# Allegro board 9823-layout.brd (continued)
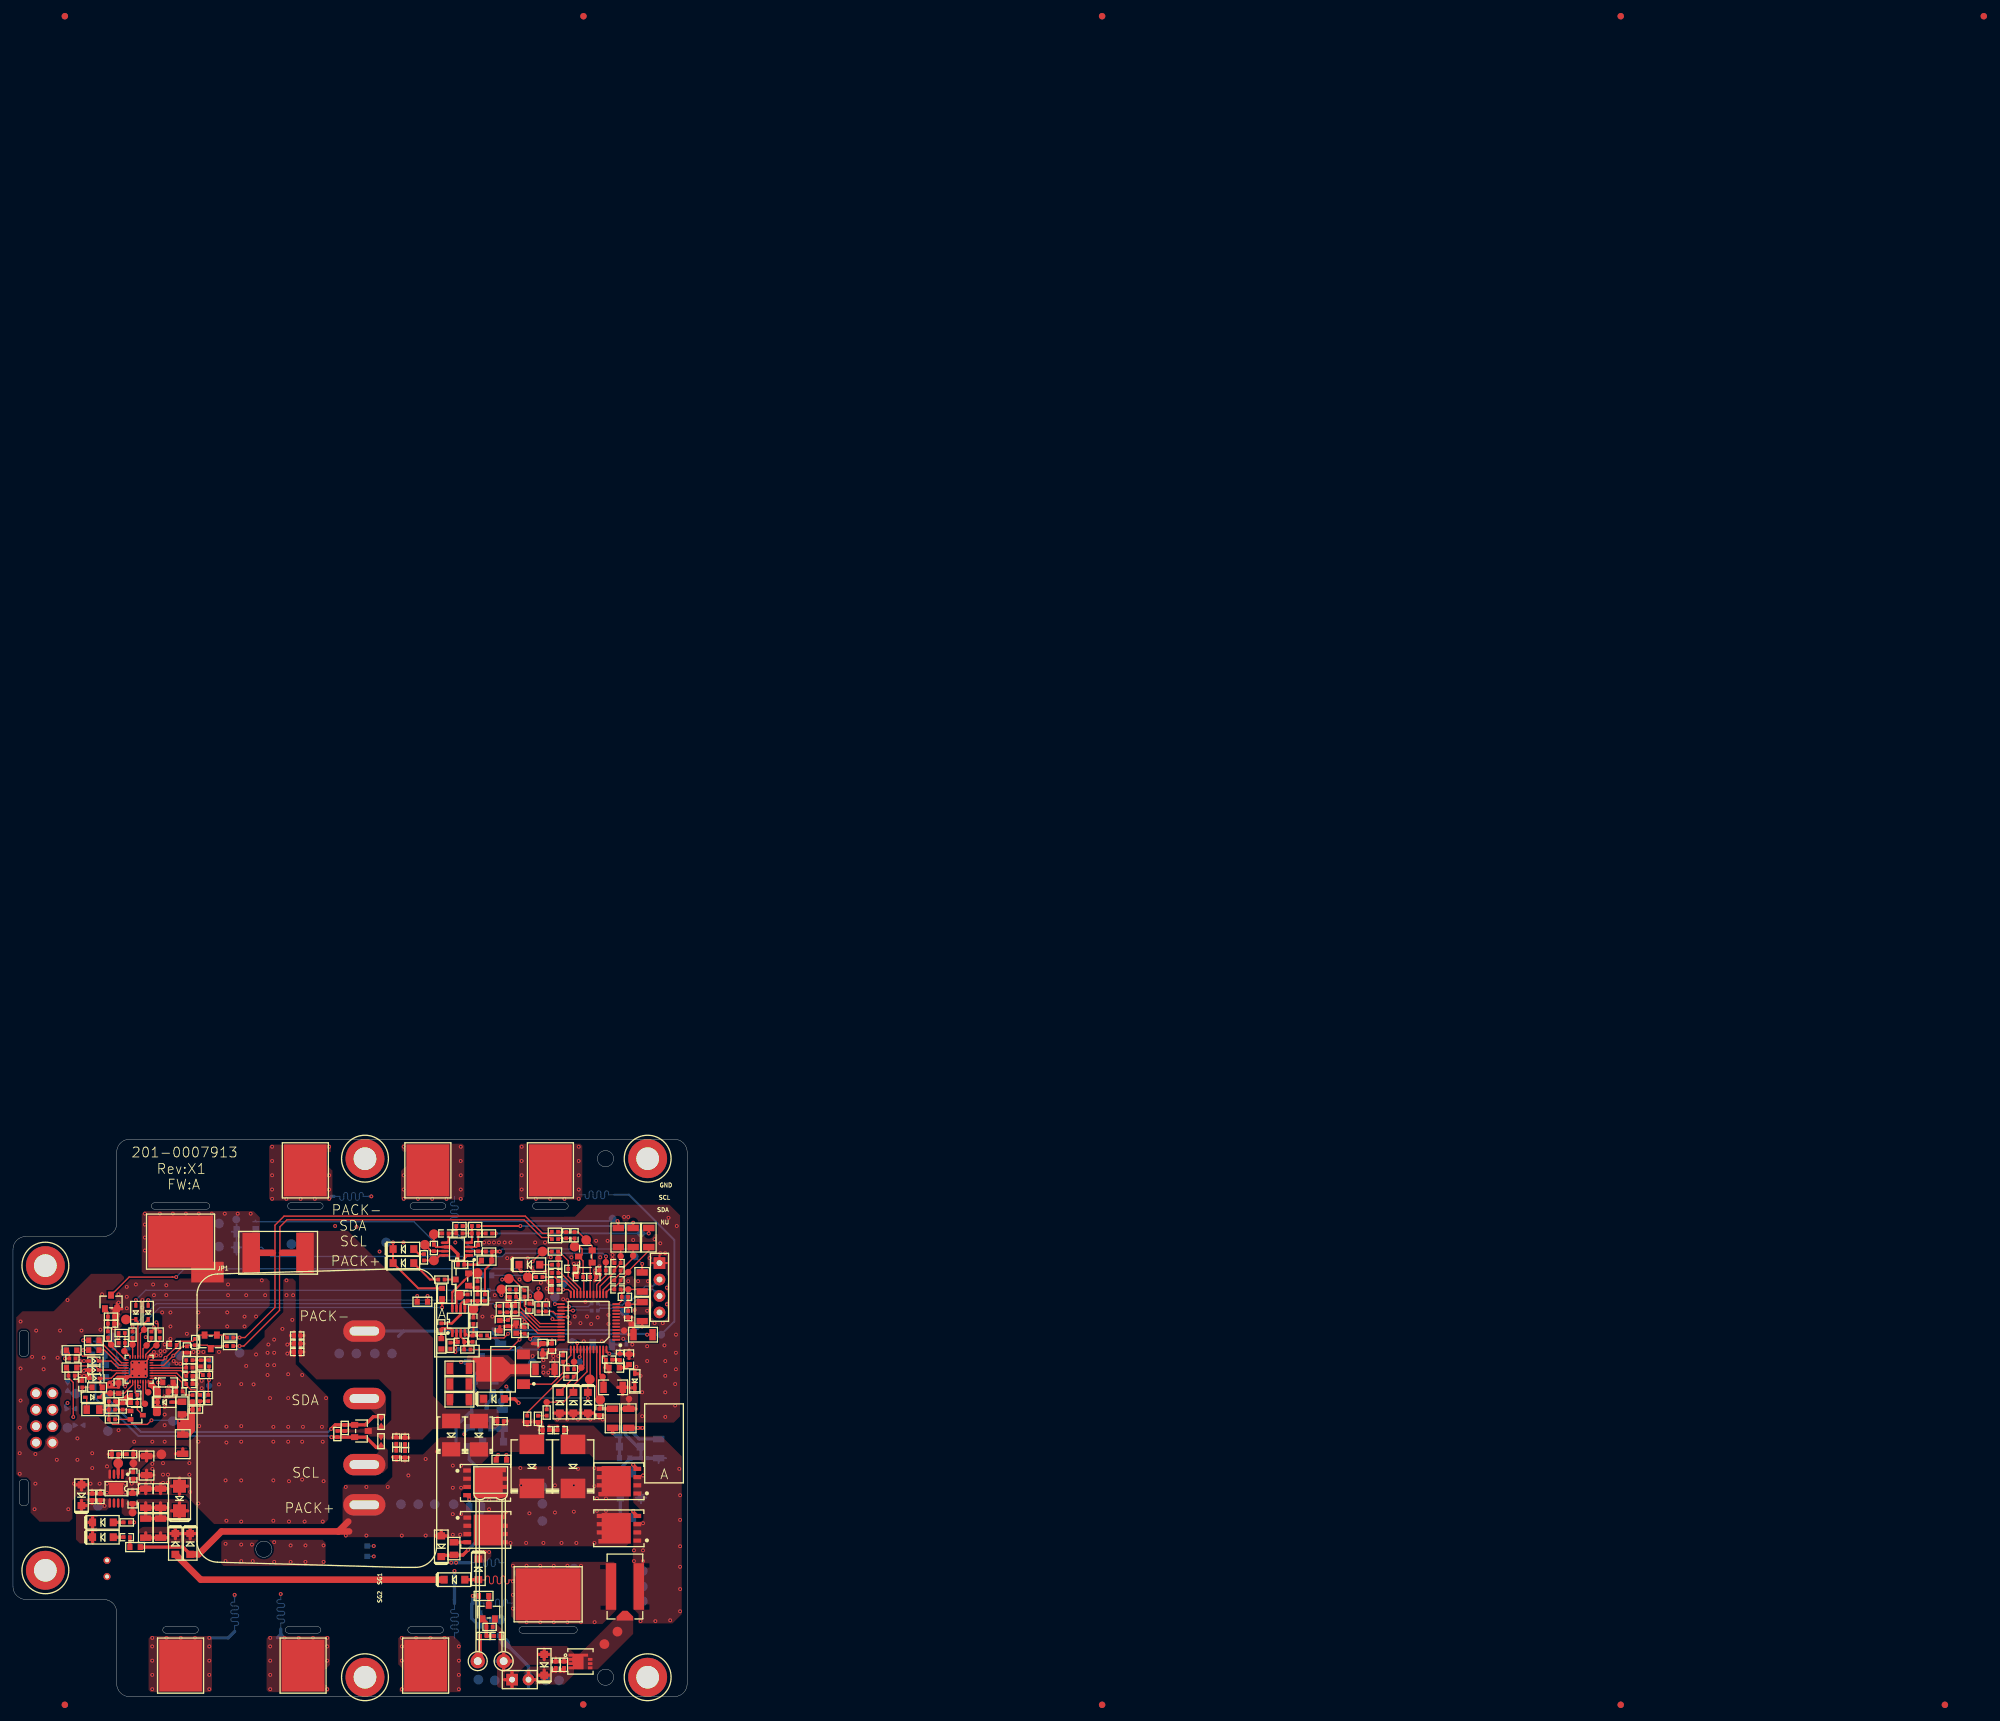
[diagram p0: board, top side]
## Placement (name value [footprint] x y rotation side) (continued)
TP8  Test Point  [O-TP150]  78.01 19.02 90 bottom
TP9  Test Point  [O-TP150]  82.83 81.63 90 bottom
TP10  Test Point  [O-TP150]  64.61 5.05 0 bottom
TP11  Test Point  [O-TP120]  96.17 57.12 0 bottom
TP12  Test Point  [O-TP150]  64.04 81.5 180 bottom
TP13  Test Point  [O-TP120]  95.92 67.91 0 bottom
TP14  Test Ponit  [O-TP150]  81.06 61.82 180 top
TP15  Test Point  [O-TP150]  43.91 5.43 0 bottom
TP16  Test Point  [O-TP120]  96.89 71.47 270 bottom
TP17  Test Point  [O-TP150]  44.73 81.76 90 bottom
TP18  Test Point  [O-TP120]  94.77 72.61 270 bottom
TP19  Test Point  [O-TP150]  25.81 4.67 0 bottom
TP20  Test Point  [O-TP150]  28.35 69.31 0 bottom
TP21  Test Ponit  [O-TP150]  83.6 61.69 0 bottom
TP22  Test Point  [O-TP150]  75.21 11.91 0 bottom
TP23  Test Point  [O-TP100]  17.18 53.31 0 top
TP24  Test Point  [O-TP120]  92.49 73.75 270 bottom
TP25  Test Ponit  [O-TP150]  79.41 64.74 180 top
TP26  Test Ponit  [O-TP150]  81.69 68.67 180 top
TP27  Test Point  [O-TP100]  18.45 54.32 0 top
TP29  Test Point  [O-TP120]  34.45 73.63 0 bottom
TP30  Test Point  [O-TP100]  84.12 67.62 180 top
TP31  Test Point  [O-TP150]  86.55 17.55 270 bottom
TP32  Test Point  [O-TP150]  86.55 13 270 bottom
TP33  Test Point  [O-TP150]  86.55 19.75 0 bottom
TP34  Test Point  [O-TP150]  86.55 15.3 0 bottom
TP35  Test Point  [O-TP150]  97.16 19.4 270 bottom
TP36  Test Point  [O-TP150]  97.16 17 270 bottom
TP37  Test Point  [O-TP150]  97.16 14.73 270 bottom
TP38  Test Point  [O-TP150]  81.66 32.4 270 bottom
TP39  Test Point  [O-TP150]  81.66 29.75 270 bottom
TP40  Test Point  [O-TP150]  81.66 27.1 270 bottom
TP41  Test Point  [O-TP150]  59.85 29.69 0 bottom
TP42  Test Point  [O-TP150]  62.51 29.69 0 bottom
TP43  Test Point  [O-TP150]  67.98 29.69 0 bottom
TP44  Test Point  [O-TP150]  65.05 29.69 0 bottom
TP45  Test Point  [O-TP150]  71.66 65.37 90 top
TP46  Test Point  [O-TP150]  68.86 61.94 90 top
TP47  Test Point  [O-TP150]  93.24 10.03 90 top
TP48  Test Point  [O-TP150]  71.02 59.78 90 top
TP49  Test Point  [O-TP150]  91.23 8.11 0 top
TP50  Test Point  [O-TP150]  84.23 2.51 90 bottom
TP51  Test Point  [O-TP150]  75.85 8.35 90 bottom
TP52  Test Point  [O-TP150]  82.2 2.51 90 bottom
TP53  Test Point  [O-TP150]  64.93 67.3 180 top
TP54  Test Point  [O-TP150]  74.33 2.51 90 bottom
TP55  Test Point  [O-TP150]  71.79 2.63 90 bottom
TP56  Test Point  [O-TP150]  63.53 69.71 180 top
TP57  Test Point  [O-TP150]  64.93 71.34 180 top
TP58  Test Point  [O-TP100]  17.3 48.61 90 bottom
TP59  Test Point  [O-TP100]  15.02 46.79 90 top
TP60  Test Point  [O-TP100]  20.86 46.96 90 top
TP61  Test Point  [O-TP100]  20.35 45.18 90 top
TP62  Test Point  [O-TP100]  19.46 46.96 90 bottom
TP63  Test Point  [O-TP120]  18.57 36.01 270 top
TP64  Test Point  [O-TP150]  22.89 37.38 270 top
TP65  Test Point  [O-TP150]  24.67 42.51 90 bottom
TP66  Test Point  [O-TP100]  29.49 46.47 90 bottom
TP67  Test Point  [O-TP150]  8.03 53.18 90 bottom
TP68  Test Point  [O-TP100]  30.26 47.97 90 bottom
TP69  Test Point  [O-TP150]  9.71 46.75 90 bottom
TP70  Test Point  [O-TP100]  30.38 51.91 90 bottom
TP71  Test Point  [O-TP150]  8.41 41.5 90 bottom
TP72  Test Point  [O-TP150]  23.53 51.28 90 bottom
TP73  Test Point  [O-TP150]  14.65 44.08 90 bottom
TP74  Test Point  [O-TP150]  14.14 46.4 90 bottom
TP75  Test Point  [O-TP150]  25.81 52.61 90 bottom
TP76  Test Point  [O-TP100]  15.14 54.32 90 top
TP79  Test Point  [O-TP100]  22.13 54.2 90 top
TP80  Test Point  [O-TP100]  20.6 54.2 90 top
TP81  Test Point  [O-TP100]  20.22 56.61 90 top
TP82  Test Point  [O-TP150]  17.43 58.19 90 top
TP83  Test Point  [O-TP150]  14.64 40.99 180 bottom
TP84  Test Point  [O-TP150]  15.27 55.44 180 bottom
TP85  Test Point  [O-TP150]  33.94 55.41 180 bottom
TP86  Test Point  [O-TP150]  34.96 53.05 180 bottom
TP87  Test Point  [O-TP150]  28.35 72.87 180 bottom
TP88  Test Point  [O-TP150]  31.78 72.99 180 bottom
TP89  Test Point  [O-TP150]  31.78 69.44 180 bottom
TP90  Test Point  [O-TP150]  25.18 70.96 90 bottom
TP91  Test Point  [O-TP150]  52.97 52.94 180 bottom
TP92  Test Point  [O-TP150]  50.32 52.94 180 bottom
TP93  Test Point  [O-TP150]  58.47 52.94 180 bottom
TP94  Test Point  [O-TP150]  55.82 52.94 180 bottom
TP95  Test Point  [O-TP150]  13.11 29.43 180 bottom
TP96  Test Point  [O-TP150]  84.87 63.85 180 bottom
TP97  Test Point  [O-TP150]  94.37 59.37 180 bottom
TP98  Test Point  [O-TP150]  94.79 61.33 180 bottom
TP99  Test Point  [O-TP150]  80.17 51.4 180 bottom
U1  BQ769142PFBR  [R-S-PQFP-48-50-900X900X120]  88.79 57.81 180 top
U2  S-8244AAOFM-CEOT2U  [R-MSOP-8-65-400X295X130]  68.74 58.01 90 top
U3  S-8244AAOFM-CEOT2U  [R-MSOP-8-65-400X295X130]  68.48 69.06 180 top
U4  TPS7A1601DGNR  [R-SSOP-8-65-490X300X110-PAD]  15.91 32.1 270 top
U5  BQ9000RSMR  [R-QFN-32-40-400X400X100]  19.46 50.51 180 top

## Library data of the parts
C1-C21 C25 C29 C31 C34 C38 C40 C41 C43 C46-C49 C51 C54-C61 C64-C69 C71-C87 C89-C96 C100 C101 C106 C107 C109-C111 = Capacitor
CELL+1-CELL+7 CELL-1 = PACK therminal 1pin
D1-D4 D6 D17 D28 D31 D32 D34-D42 D44 D45 D50 D51 = Diode
D5 D7 D18-D20 D27 D30 D33 = Diode Zener
D8-D10 D13 D14 = Diode TVS
D11 D15 = Diode TVS SOT-323
D16 D47 = Diode-Dual-Common AK
F1 = Fuse
F4 = Fuse-SC1
FCT2-FCT10 = Fusing Copper Trace
J2 = J_3
J3 = J_8
J4 = J_5
J5 = CON-2PIN_0: room: Input
JP1 = Jumper-Single Grounding
NTC1-NTC5 = NTC
Q1 = Transistor-NPN
Q2 Q10 Q11 Q16 Q18 = N-MOS-Single-8Pin
Q3 Q4 Q13-Q15 = Transistor-PNP
Q5 Q12 Q19 = N-MOSFET
R1-R12 R14-R34 R37-R47 R50 R51 R53 R56-R65 R67-R82 R84-R87 R89-R95 R97 R99 R101-R108 R110-R113 R115 R116 R118-R123 R127 R128 R130-R134 = Resistor
RS1 = Resistor-Current Sense
SG1-SG5 = Spark Gap
TA1-TA12 TA14 TA16-TA18 TA20 TA22-TA24 TA26-TA36 TP1-TP27 TP29-TP76 TP79-TP99 = Test Point
U1 = IC-BQ769142PFBR
U2 U3 = IC-S-8244AAUFN-CEUT2z_1
U4 = IC-TPS7A1601DGNR
U5 = IC-bq9000RSM_1

## Footprints (pads in the part's own frame, mm; a bottom-side part is the same pattern mirrored in y, then rotated)
O-F-2-560X160-2OZ-15
  oval 1x0.15 smd: 1(-2.73,0) 2(2.72,0)
O-PAD-JUMP
  rect 1.6x5 smd: 1(-0.79,0) 2(0.79,0)
O-PAD-R800X660-NP
  rect 6.6x8 smd: 1(0,0)
O-PAD-R1000X800-NP
  rect 8x10 smd: 1(0,0)
O-PSK-2-230X100
  round 0.2 smd: 1(-0.5,0) 2(0.5,0)
O-TP100
  round 1 smd: 1(0,0)
O-TP120
  round 1.2 smd: 1(0,0)
O-TP150
  round 1.5 smd: 1(0,0)
R-C-0402
  rect 0.58x0.6 smd: 1(-0.485,0) 2(0.485,0)
R-C-0603
  rect 0.8x0.9 smd: 1(-0.8,0) 2(0.8,0)
R-C-1206
  rect 1x1.75 smd: 1(-1.475,0) 2(1.475,0)
R-F-3-950X500X200
  rect 7.2x1.6 smd: 1(0,2.15) 3(0,-2.15)
  custom 1.5x2.55 smd: 2(-4.5,0)
R-MSOP-8-65-400X295X130
  rect 1.25x0.4 smd: 1(-1.875,0.975)
  oval 1.25x0.4 smd: 2(-1.875,0.325) 3(-1.875,-0.325) 4(-1.875,-0.975) 5(1.875,-0.975) 6(1.875,-0.325) 7(1.875,0.325) 8(1.875,0.975)
R-QFN-32-40-400X400X100
  oval 0.6x0.2 smd: 1(-1.9,1.4) 2(-1.9,1) 3(-1.9,0.6) 4(-1.9,0.2) 5(-1.9,-0.2) 6(-1.9,-0.6) 7(-1.9,-1) 8(-1.9,-1.4) 17(1.9,-1.4) 18(1.9,-1) 19(1.9,-0.6) 20(1.9,-0.2) 21(1.9,0.2) 22(1.9,0.6) 23(1.9,1) 24(1.9,1.4)
  oval 0.2x0.6 smd: 9(-1.4,-1.9) 10(-1,-1.9) 11(-0.6,-1.9) 12(-0.2,-1.9) 13(0.2,-1.9) 14(0.6,-1.9) 15(1,-1.9) 16(1.4,-1.9) 25(1.4,1.9) 26(1,1.9) 27(0.6,1.9) 28(0.2,1.9) 29(-0.2,1.9) 30(-0.6,1.9) 31(-1,1.9) 32(-1.4,1.9)
  rect 1.4x1.4 smd: 33(0,0)
R-R-0402
  rect 0.58x0.6 smd: 1(-0.485,0) 2(0.485,0)
R-R-0603
  rect 0.8x0.9 smd: 1(-0.8,0) 2(0.8,0)
R-R-0805
  rect 1x1.35 smd: 1(-0.975,0) 2(0.975,0)
R-R-1206
  rect 1x1.75 smd: 1(-1.475,0) 2(1.475,0)
R-R-3921-92
  rect 2.7x6.2 smd: 1(-4.15,0) 2(4.15,0)
R-S-PQFP-48-50-900X900X120
  rect 1.2x0.3 smd: 1(-4.25,2.75)
  oval 1.2x0.3 smd: 2(-4.25,2.25) 3(-4.25,1.75) 4(-4.25,1.25) 5(-4.25,0.75) 6(-4.25,0.25) 7(-4.25,-0.25) 8(-4.25,-0.75) 9(-4.25,-1.25) 10(-4.25,-1.75) 11(-4.25,-2.25) 12(-4.25,-2.75) 25(4.25,-2.75) 26(4.25,-2.25) 27(4.25,-1.75) 28(4.25,-1.25) 29(4.25,-0.75) 30(4.25,-0.25) 31(4.25,0.25) 32(4.25,0.75) 33(4.25,1.25) 34(4.25,1.75) 35(4.25,2.25) 36(4.25,2.75)
  oval 0.3x1.2 smd: 13(-2.75,-4.25) 14(-2.25,-4.25) 15(-1.75,-4.25) 16(-1.25,-4.25) 17(-0.75,-4.25) 18(-0.25,-4.25) 19(0.25,-4.25) 20(0.75,-4.25) 21(1.25,-4.25) 22(1.75,-4.25) 23(2.25,-4.25) 24(2.75,-4.25) 37(2.75,4.25) 38(2.25,4.25) 39(1.75,4.25) 40(1.25,4.25) 41(0.75,4.25) 42(0.25,4.25) 43(-0.25,4.25) 44(-0.75,4.25) 45(-1.25,4.25) 46(-1.75,4.25) 47(-2.25,4.25) 48(-2.75,4.25)
R-SMA
  rect 2x2 smd: A(-1.9,0) K(1.9,0)
R-SMB
  rect 2.2x2.8 smd: A(-2.2,0) K(2.2,0)
R-SMC
  rect 3x3.8 smd: A(-3.4,0) K(3.4,0)
R-SO-8-127-615X515X100-1
  custom 4.7x5 smd: D1(0,0.675)
  rect 0.65x1.2 smd: D2(-0.635,2.825) D3(0.635,2.825) D4(1.905,2.825) G(1.905,-2.825) S1(-1.905,-2.825) S2(-0.635,-2.825) S3(0.635,-2.825)
R-SOD-123
  rect 1.1x1.2 smd: A(-1.6,0) K(1.6,0)
R-SOD-323
  rect 0.73x0.5 smd: A(-1.085,0) K(1.085,0)
R-SOD-523
  rect 0.73x0.5 smd: A(-0.815,0) K(0.815,0)
R-SOT-23-AK2K1
  rect 0.9x1.1 smd: A(-0.95,-1.05) K1(0,1.05) K2(0.95,-1.05)
R-SOT-23-BEC
  rect 0.9x1.1 smd: B(-0.95,-1.05) C(0,1.05) E(0.95,-1.05)
R-SOT-23-GSD
  rect 0.9x1.1 smd: D(0,1.05) G(-0.95,-1.05) S(0.95,-1.05)
R-SOT-23-K1K2K3
  rect 0.9x1.1 smd: K1(-0.95,-1.05) K2(0.95,-1.05) K3(0,1.05)
R-SOT-223-BCE
  rect 1.5x2 smd: B(-2.3,-3.15) C(0,-3.15) E(2.3,-3.15)
R-SOT-323-BEC
  rect 0.7x0.9 smd: B(-0.65,-0.95) C(0,0.95) E(0.65,-0.95)
R-SSOP-8-65-490X300X110-PAD
  rect 1.45x0.4 smd: 1(-2.225,0.975)
  oval 1.45x0.4 smd: 2(-2.225,0.325) 3(-2.225,-0.325) 4(-2.225,-0.975) 5(2.225,-0.975) 6(2.225,-0.325) 7(2.225,0.325) 8(2.225,0.975)
  rect 1.9x2.2 smd: 9(0,0)
R-TSDSON-8
  rect 0.45x0.7 smd: D1(0.975,1.5) D2(0.325,1.5) D3(-0.325,1.5)
  custom 2.4x2.35 smd: D4(0,0)
  rect 0.45x0.8 smd: G(0.975,-1.45)
  rect 0.45x0.85 smd: S1(-0.975,-1.425) S3(0.325,-1.425)
  custom 0.85x0.85 smd: S2(-0.325,-1.4)
SIP2-2R54
  rect 1.8x1.8 hole 0.9: 1(0,0)
  round 1.8 hole 0.9: 2(2.54,0)
SIP4-2R54
  rect 1.8x1.8 hole 0.9: 1(0,0)
  round 1.8 hole 0.9: 2(2.54,0) 3(5.08,0) 4(7.62,0)
unnamed
  round 6 hole 3.5: 1(0,0)
unnamed#2
  round 1 smd: (0,0)
W-CON-4-4560X3646X2380
  oval 6.5x3.3 hole 4.5x1.3: 1(7.326,13.404) 2(7.326,3.004) 3(7.326,-7.196) 4(7.326,-13.396)
W-CON-8-254-998X500X254
  round 1.8 hole 1.2: 1(-3.81,-1.27) 2(-3.81,1.27) 3(-1.27,-1.27) 4(-1.27,1.27) 5(1.27,-1.27) 6(1.27,1.27) 7(3.81,-1.27) 8(3.81,1.27)
W-F-2-400-3000X520X200-B
  round 2.2 hole 1.2: 1(-2,-15) 2(2,-15)
W-NTC-2-250-260X260X2500
  round 1.1 hole 0.6: 1(-1.25,0) 2(1.25,0)

## Nets
15V: R14.2 R16.2 R17.2 R91.1 R99.2 R102.2 R103.1 R106.2 TP65.1(TP)
GND: C4.2 C5.2 C6.2 C7.2 C8.1 C9.2 C10.2 C11.2 C12.2 C13.2 C14.2 C16.2 C17.2 C18.2 C19.2 C20.2 C21.1 C25.2 C29.2 C41.2 C43.2 C49.2 C51.2 C54.2 C55.2 C56.2 C57.2 C73.2 C76.2 C79.2 C81.2 C82.1 C83.2 C84.1 C85.2 C86.2 C87.2 C89.2 C90.2 C91.2 C93.1 C94.2 C95.2 C96.2 C100.2 C101.2 C106.2 C109.2 C110.2 C111.1 D3.A D4.A D5.A D6.A D7.A D10.A D11.K3 D13.A D14.A D33.A D41.A F1.2 J2.1(GND) J3.7(GND) J5.1 JP1.1 NTC1.2 NTC2.1 NTC3.1 NTC4.1 NTC5.1 Q5.S Q18.S1 Q18.S2 Q18.S3 Q19.S R9.1 R11.1 R17.1 R18.1 R20.1 R34.2 R44.2 R58.2 R97.2 R112.1 R115.1 R119.1 R134.1 SG3.2 SG4.2 SG5.2 TA24.1(TP) TP54.1(TP) TP55.1(TP) TP83.1(TP) U1.17(VSS) U4.4(GND) U4.9(PAD) U5.9(VSS) U5.23(PTC) U5.24(PTCEN) U5.33(PAD)
AFE_RST: R19.2 R128.2
AFEFUSE: C73.1 D33.K D37.K J5.2 Q18.G R22.1 R30.2 R44.1 R95.2 TP50.1(TP) TP51.1(TP) TP52.1(TP)
BUTTON_DET: C20.1 R10.2 TP23.1(TP) U5.16(RH1)
CD+: D1.A D18.K D19.K Q2.D1 Q2.D2 Q2.D3 Q2.D4 Q10.D1 Q10.D2 Q10.D3 Q10.D4 Q11.D1 Q11.D2 Q11.D3 Q11.D4 Q16.D1 Q16.D2 Q16.D3 Q16.D4 TP38.1(TP) TP39.1(TP) TP40.1(TP)
CELL1+: FCT8.2 R51.1 R93.2 TP24.1(TP)
CELL2+: FCT7.2 R46.1 R92.1 TP18.1(TP)
CELL3+: FCT6.2 R41.1 R90.1 TP16.1(TP)
CELL4+: FCT5.2 R32.1 R79.2 R84.2 R87.1 TP13.1(TP)
CELL5+: FCT4.2 R26.1 R78.1 TP11.1(TP)
CELL6+: FCT3.2 R21.1 R75.1 TP5.1(TP)
CELL7+: FCT2.2 R15.1 R69.2 R72.1 TP2.1(TP)
CELL+7_PAD: CELL+7.1 F4.1 FCT2.1 FCT9.2 FCT10.1 TP8.1(TP) TP31.1(TP) TP32.1(TP) TP33.1(TP) TP34.1(TP)
CHG_CTRL: C76.1 R86.2 TA7.1(TP) U1.45(CHG)
DSG_CTRL: C79.1 D6.K R89.2 TA8.1(TP) TA33.1(TP) U1.43(DSG)
MCU_CHG_CTRL: D50.A R31.2
MCU_DSG_CTRL: D51.A R28.2
PACK+: C59.2 C60.1 C61.1 D8.K D9.K D19.A D20.A D27.A D42.A J4.4(PACK+) Q10.S1 Q10.S2 Q10.S3 Q11.S1 Q11.S2 Q11.S3 Q12.S R1.2 R2.2 R29.2 R61.2 R62.2 R70.2 R118.1 TP41.1(TP) TP42.1(TP) TP43.1(TP) TP44.1(TP)
PBI: C84.2 R111.1 U5.1(PBI)
REG1: C13.1 C14.1 TP3.1(TP) U1.35(REG1)
REG2: C17.1 C18.1 TP4.1(TP) U1.34(REG2)
REGIN: C9.1 C10.1 Q1.E TP99.1(TP) U1.36(REGIN)
RS1_PIN1: C72.2 C74.2 C78.1 CELL-1.1 JP1.2 R56.1 R58.1 R59.1 R130.1 RS1.2 TP20.1(TP) TP29.1(TP) TP57.1(TP) TP85.1(TP) TP87.1(TP) TP88.1(TP) TP89.1(TP) TP90.1(TP) U3.6(VSS)
RS1_PIN2: C64.2 C65.2 C100.1 C101.1 C106.1 D8.A D9.A D15.K3 D31.A J4.1(PACK-) R29.1 R45.1 R47.1 R60.1 R131.1 RS1.1 SG1.2 SG2.2 TP86.1(TP) TP91.1(TP) TP92.1(TP) TP93.1(TP) TP94.1(TP)
SCL_BQ769142: J2.2(SCL) R40.2 R132.1 TP98.1(TP)
SDA_BQ769142: J2.3(SDA) R38.2 R133.1 TP97.1(TP)
SMBC: D15.K2 J4.3(SCL) R45.2 R121.1 SG2.1 TP73.1(TP)
SMBD: D15.K1 J4.2(SDA) R47.2 R123.1 SG1.1 TP74.1(TP)
VCELL+: D2.A D39.A FCT9.1
WAKEUP_AFE: D17.K Q19.D
N26274: D1.K R5.2 R6.2
N26278: R1.1 R3.2
N26282: R2.1 R4.2
N26506: D3.K R3.1 TA4.1(TP) U1.42(PACK)
N26510: D4.K R4.1 TA5.1(TP) U1.41(LD)
N26518: D2.K R7.1
N26522: C1.1 C2.1 C3.1 D5.K R7.2 TA1.1(TP) U1.47(BAT)
N26558: C1.2 TA2.1(TP) U1.46(CP1)
N26570: R5.1 R6.1 R8.2
N26710: C2.2 C4.1
N26714: C3.2 C5.1
N26742: C6.1 Q1.C R8.1 TA3.1(TP)
N26932: R9.2 TA11.1(TP) U1.38(FUSE)
N27190: TA9.1(TP) U1.40(PCHG)
N27202: Q1.B R11.2 U1.37(BREG)
N27560: C15.2 C31.1 R21.2 TA12.1(TP) TA18.1(TP) U1.1(VC13A) U1.2(VC13B) U1.3(VC12A) U1.4(VC12B) U1.5(VC11) U1.6(VC10) U1.7(VC9) U1.8(VC8) U1.9(VC7) U1.10(VC6)
N27850: C15.1 R15.2 TA6.1(TP) U1.48(VC14)
N28356: C21.2 R19.1 R20.2 TA14.1(TP) U1.33(RST_SHUT)
N28912: C25.1 R25.2 U1.31(DCHG)
N28920: NTC4.2 R25.1 TP7.1(TP)
N29078: C31.2 C34.1 R26.2 TA20.1(TP) U1.11(VC5)
N29246: R28.1 TA16.1(TP) U1.30(DFETOFF)
N29258: CELL+6.1 FCT3.1 TP9.1(TP)
N29414: CELL+5.1 FCT4.1 TP10.1(TP)
N29510: R31.1 TA17.1(TP) U1.29(CFETOFF)
N29624: CELL+4.1 FCT5.1 TP12.1(TP)
N29754: C34.2 C38.1 R32.2 TA22.1(TP) U1.12(VC4)
N29830: C29.1 R33.2 U1.28(HDQ)
N29838: NTC3.2 R33.1 TP14.1(TP)
N29862: CELL+3.1 FCT6.1 TP15.1(TP)
N30134: CELL+2.1 FCT7.1 TP17.1(TP)
N30222: R38.1 U1.27(SDA)
N30324: CELL+1.1 FCT8.1 TP19.1(TP)
N30528: R40.1 U1.26(SCL)
N30610: C38.2 C40.1 R41.2 TA23.1(TP) U1.13(VC3)
N30796: TP21.1(TP) U1.25(ALERT)
N31094: C40.2 C46.1 R46.2 TA26.1(TP) U1.14(VC2)
N31098: C46.2 C51.1 R51.2 TA29.1(TP) U1.15(VC1)
N31102: C56.1 R56.2 TA30.1(TP) U1.16(VC0)
N31110: C47.1 C48.1 C54.1 D16.A D16.K2 R59.2 TA27.1(TP) U1.18(SRP)
N31114: C47.2 C48.2 C55.1 D16.K1 R60.2 TA28.1(TP) U1.20(SRN)
N31118: C43.1 R50.2 U1.21(TS1)
N31122: C57.1 R57.1 TP30.1(TP) U1.22(TS2)
N31126: C49.1 R53.2 U1.23(TS3)
N31130: C41.1 TP96.1(TP) U1.24(REG18)
N32000: NTC1.1 R50.1 TP26.1(TP)
N32096: NTC2.2 R53.1 TP25.1(TP)
N32774: D17.A R57.2
N40957: C58.1 D18.A D30.A F4.3 Q2.S1 Q2.S2 Q2.S3 Q16.S1 Q16.S2 Q16.S3 R65.2 R67.2 TP35.1(TP) TP36.1(TP) TP37.1(TP)
N40965: C58.2 C59.1
N41955: C60.2 C64.1
N41959: C61.2 C65.1
N42143: D20.K Q12.G R61.1 R68.2
N42187: FCT10.2 Q4.E R39.1 R43.2
N42245: Q13.C R62.1
N42321: D30.K D32.K Q15.E R63.2 R67.1 R80.1 R81.2 TA31.1(TP)
N42329: Q16.G R63.1
N42333: Q10.G R64.2
N42337: D27.K D35.K Q13.E R64.1 R70.1 R73.1 R74.1 R82.1 TA32.1(TP)
N42373: C66.1 R69.1 U2.1(VCC)
N42381: C66.2 C67.2 C71.2 R76.2 R79.1 TP48.1(TP) U2.5(VC3) U2.6(VSS)
N42407: F4.2 Q18.D1 Q18.D2 Q18.D3 Q18.D4 TP47.1(TP) TP49.1(TP)
N42643: Q15.C R65.1
N42693: Q14.E R71.1 TP45.1(TP) U2.8(CO)
N42821: Q12.D R74.2
N42825: D31.K R68.1
N42905: C68.1 R72.2 U2.2(SENSE)
N42909: C67.1 TP46.1(TP) U2.7(ICT)
N43001: Q14.B R71.2 R76.1
N43213: D35.A Q13.B R73.2 R89.1
N43313: D32.A Q15.B R80.2 R86.1
N43699: D28.K D34.K R22.2 TP6.1(TP)
N43835: C72.1 R84.1 U3.1(VCC)
N43947: Q2.G R81.1
N43951: Q11.G R82.2
N44149: R85.1 TP53.1(TP) U3.8(CO)
N44153: D34.A R85.2
N44367: C75.1 R87.2 U3.2(SENSE)
N44371: C74.1 TP56.1(TP) U3.7(ICT)
N44503: C75.2 C77.1 R90.2 U3.3(VC1)
N44685: C77.2 C80.1 R92.2 U3.4(VC2)
N44693: C78.2 C80.2 R93.1 U3.5(VC3)
N44781: D36.A R91.2
N44873: C81.1 D36.K TP59.1(TP) U5.26(CDRN)
N44893: D37.A R94.2
N44897: R94.1 R95.1 R97.1 TP58.1(TP) U5.25(AFEFUSE)
N45141: C82.2 Q3.C R18.2 U5.27(PACK)
N45505: D39.K D40.A
N45509: D40.K D42.K R101.1 R104.1
N45529: C85.1 C86.1 C87.1 D41.K R101.2 R104.2 TA35.1(TP) U4.8(IN)
N45573: C89.1 C90.1 R102.1 R105.2 TP63.1(TP) TP64.1(TP) U4.1(OUT)
N45621: D38.A R99.1
N45625: C83.1 D38.K TA34.1(TP) U5.32(BAT)
N45895: R105.1 R112.2 TA36.1(TP) U4.2(FB/DNC)
N45933: C96.1 R103.2 U5.2(VC4)
N46195: R106.1 R107.1 R108.2 TP66.1(TP)
N46199: C95.1 R107.2 U5.3(VC3)
N46407: D14.K R23.1 U5.22(RL2)
N46431: D44.A R111.2
N46435: C91.1 D7.K D44.K D45.K R115.2 TP95.1(TP) U4.5(EN)
N46493: R108.1 R110.1 R113.2 TP68.1(TP)
N46501: C94.1 R110.2 U5.4(VC2)
N46611: D13.K R24.1 U5.21(RL1)
N46707: R113.1 R116.1 R119.2 TP70.1(TP)
N46711: C93.2 R116.2 U5.5(VC1)
N46839: D10.K R27.1 U5.20(RL0)
N46863: C92.1 R118.2
N46867: C92.2 D45.A
N46971: C107.1 C109.1 D47.A D47.K2 R130.2 TP72.1(TP) U5.8(SRP)
N47039: R120.2 U5.19(SMBC)
N47043: D11.K2 R120.1 R121.2
N47181: R122.2 U5.18(SMBD)
N47185: D11.K1 R122.1 R123.2
N47251: C107.2 C110.1 D47.K1 R131.2 TP75.1(TP) U5.6(SRN)
N47353: R127.1 TP76.1(TP) U5.17(RH0)
N47615: R132.2 TP79.1(TP) U5.10(RC0/AD0)
N47631: R133.2 TP80.1(TP) U5.11(RC1/AD1)
N47647: D51.K TP81.1(TP) U5.12(RC2/AD2)
N47665: D50.K TP82.1(TP) U5.13(RC3/AD3)
N48111: C111.2 Q19.G R127.2 R134.2
N89184: C69.2 C71.1 R78.2 U2.4(VC2)
N89210: C68.2 C69.1 R75.2 U2.3(VC1)
N93778: Q14.C R77.2
N93782: D28.A R77.1
N118443: C19.1 J3.1(RL2) R23.2 SG3.1 TP69.1(TP)
N118464: C16.1 J3.5(RL1) R24.2 SG4.1 TP71.1(TP)
N118482: C12.1 J3.3(RL0) R27.2 SG5.1 TP67.1(TP)
N134812: TA10.1(TP) U1.39(PDSG)
N176195: C7.1 R12.2 U1.32(DDSG)
N176203: NTC5.2 R12.1 TP1.1(TP)
N216570: C8.2 Q3.B R16.1
N244351: F1.1 R37.1 R43.1
N244355: C11.1 Q5.G R34.1 R37.2
N246459: Q4.B R39.2 R42.1
N248347: Q5.D R42.2
N255229: Q4.C R30.1 TP22.1(TP)
N328742: J3.8(BUTTON) R10.1 TP84.1(TP)
N450730: TP60.1(TP) U5.31(CHG)
N450870: TP61.1(TP) U5.30(PCHG)
N451010: TP62.1(TP) U5.28(DSG)
N2165240: Q3.E R14.1
N3050833: R128.1 TP27.1(TP) U5.15(RH2)

Pads without a net: J2 4; J3 2 4 6; NOREF 1; NOREF#2 1; NOREF#4 1; NOREF#5 1; NOREF#7 1; NOREF#10 1; U1 19 44; U4 3 6 7; U5 7 14 29

## Via types
v1: diameter 0.6, hole 0.3, TOP to BOTTOM, 558 vias

## Routing (per net, layer and track width the routed paths; a pad name or vN(x,y) marks a point on that pad's centre or on a via; arc(x,y) is an arc through that point)
15V: length 21.1
  TOP w0.2: R91.1 R16.2 ; R16.2 R17.2 ; R16.2 R14.2 14.79,42.62 15.4,42 20.73,42 v1(21.37,42.64)
  TOP w0.5: 26.07,42.8 R99.2 26.99,43.55 ; 27.74,43.74 R106.2 ; R106.2 27.2,44.29 ; R106.2 27.74,44.84 ; 26.19,41.18 R102.2 27.32,40.43
  BOTTOM w0.2: v1(25.68,42.51) TP65.1 24.54,42.64 v1(21.37,42.64)
GND: length 238.7
  TOP w0.2: 20.65,51.88 20.86,52.09 U5.9 ; NTC4.1 v1(62.35,61.82) ; v1(74.83,37.31) 74.54,37.01 NTC5.1
  TOP w0.3: J2.1 100.88,66.9 ; J2.1 99.73,68.05 ; J2.1 98.57,66.9 ; C6.2 83.55,51.64 ; C6.2 83.55,49.39 ; C6.2 82.8,50.51 ; 10.07,49.53 C16.2 9.53,48.98 ; v1(85.63,51.15) 85.57,51.09 R9.1 ; 75.19,8.81 C11.2 ; C11.2 75.73,9.37 ; C11.2 75.19,9.92 ; C5.2 93.63,53.44 ; C5.2 94.18,52.9 ; C5.2 93.08,52.9
  TOP w0.5: Q19.S 16.08,60.65 ; Q19.S 15.38,59.85 ; Q19.S 16.78,59.85 ; Q19.S 15.61,59.38 R134.1 ; R112.1 15.26,37.96 ; R112.1 15.26,36.85 ; R112.1 14.72,37.41 ; 83.15,62.26 C41.2 ; C41.2 82.61,62.81 ; C41.2 83.15,63.36 ; R44.2 84.99,5.95 ; R44.2 85.54,5.41 ; R44.2 84.44,5.41 ; 83.15,63.55 C49.2 82.61,64.1 ; 76.91,57.14 C18.2 75.81,57.14 ; J5.1 76.98,3.79 ; J5.1 76.98,1.48 ; J5.1 75.83,2.63 ; C43.2 87.16,66.01 ; C43.2 86.62,65.46 ; C43.2 86.62,66.56 ; 42.82,53.18 C106.2 ; C106.2 43.36,53.73 ; C106.2 43.36,52.63 ; 20.6,33.43 C89.2 ; C89.2 19.48,34.18 ; C89.2 20.6,34.93 ; C89.2 21.73,34.18 ; 89.94,65.75 C56.2 90.48,66.3 ; 10.7,49.23 C19.2 10.15,48.69 ; 16.3,45.56 R17.1 16.29,45.01 ; 75.69,5.49 75.69,6.84 ; 75.69,5.49 77.04,5.49 ; 75.69,5.49 75.69,4.13 ; R115.1 12.22,31.85 ; R115.1 11.67,31.31 ; R115.1 12.77,31.31 ; 88.68,42.95 D6.A ; D6.A 89.53,43.75 ; D6.A 87.83,43.75 ; 11.66,49.89 D13.A ; D13.A 11.05,50.39 ; D13.A 12.28,50.39 ; 11.79,49.62 D14.A 11.17,49.54 ; 77.63,57.01 C13.2 76.93,57.04 ; 95.03,52.19 C4.2 ; C4.2 95.73,52.84 ; C4.2 94.33,52.84 ; C4.2 95.03,53.49 ; 82.6,53.5 C10.2 ; C10.2 83.15,52.96 ; C10.2 83.7,53.5 ; C90.2 19.12,33.65 ; C90.2 18.02,33.65 ; C90.2 18.57,33.1 ; 83.51,43.75 D4.A ; D4.A 85.21,43.75 ; D4.A 84.36,42.95 ; 16.37,45.26 C8.1 ; C8.1 17.47,45.26 ; C8.1 16.92,45.8 ; C87.2 18.45,32.03 ; C87.2 19.15,31.37 ; C87.2 17.74,31.37 ; C9.2 81.7,53.52 ; C9.2 81.7,52.22 ; C9.2 82.4,52.87 ; 23.94,46.38 C83.2 24.6,47.08 ; 76.78,60.27 C21.1 76.23,60.81 ; 27.38,53.08 C110.2 26.28,53.08 ; C91.2 13.49,31.85 ; C91.2 12.94,31.31 ; C91.2 14.04,31.31 ; 25.68,31.22 D41.A ; D41.A 24.43,32.47 ; D41.A 26.94,32.47 ; D41.A 25.68,33.73 ; 42.82,55.72 C101.2 ; C101.2 43.36,55.17 ; C101.2 43.36,56.27 ; C76.2 91.01,43.45 ; C76.2 90.45,42.91 ; C76.2 89.9,43.45 ; 42.82,54.47 C100.2 ; C100.2 43.36,53.92 ; C100.2 43.36,55.03 ; 81.09,6.52 D33.A ; D33.A 81.95,7.32 ; D33.A 81.95,5.72 ; D33.A 82.8,6.52 ; C73.2 84.27,5.41 ; C73.2 83.72,5.95 ; C73.2 83.17,5.41 ; 76.63,61.14 C7.2 76.09,61.69 ; 89.75,64.19 C54.2 89.75,65.3 ; C85.2 23.89,32.1 ; C85.2 22.76,31.35 ; C85.2 22.76,32.85 ; C85.2 21.64,32.1 ; C81.2 16.29,49.04 ; C81.2 15.59,48.39 ; C81.2 16.29,47.74 ; R134.1 16.14,58.08 ; R134.1 C111.1 ; R134.1 16.15,58.63 ; C86.2 20.48,32.85 ; C86.2 20.48,31.35 ; C86.2 19.35,32.1 ; C86.2 21.6,32.1 ; 15.61,57 C111.1 ; C111.1 16.15,57.55 ; 76.95,60.27 R20.1 77.5,60.81 ; 27.69,48.95 C94.2 28.23,49.5 ; 24.66,47.08 C96.2 ; C96.2 25.2,47.64 ; C96.2 25.2,46.53 ; 28.23,48.23 C95.2 27.69,48.78 ; 24.28,54.82 C109.2 23.73,54.27 ; 74.39,56.44 C17.2 75.09,57.1 ; 18.21,46.03 C82.1 17.68,46.03 ; 78.37,56.97 C14.2 78.37,57.24 ; 86.45,42.95 D3.A ; D3.A 87.3,43.75 ; D3.A 85.6,43.75 ; D7.A 11.42,32.68 ; D7.A 9.72,32.68 ; D7.A 10.57,33.48 ; D7.A 10.57,31.88 ; 86.97,65.28 C55.2 86.44,65.28 ; 17.67,45.31 R18.1 18.21,45.86 ; 84.32,52.65 R11.1 84.87,53.19 ; 96.42,49.82 D5.A 95.92,50.44 ; 24.71,47.78 C84.1 25.33,47.78
  L2 w0.3: J2.1 100.88,66.9 ; J2.1 99.73,68.05 ; J2.1 98.57,66.9
  L2 w0.5: 75.69,5.49 75.69,6.84 ; 75.69,5.49 74.34,5.49 ; 75.69,5.49 75.69,4.13 ; 75.69,5.49 77.04,5.49 ; 75.83,2.63 J5.1 ; J5.1 76.98,1.48 ; J5.1 76.98,3.79
  L3 w0.2: NTC1.2 16.77,18.53 21.49,13.81 42.45,13.81 44.48,15.84 44.48,20.54 ; 62.64,41.62 62.64,28.54 55.75,21.65 v1(55.66,21.65) ; 74.45,42.39 74.45,37.69 v1(74.83,37.31) ; 76.36,64.99 65.94,64.99 62.77,61.82 v1(62.35,61.82)
  L3 w0.3: J2.1 99.73,68.05 ; J2.1 98.57,66.9 ; J2.1 100.88,66.9
  BOTTOM w0.2: NTC3.1 v1(55.66,21.65) ; NTC2.1 72.26,64.06
  BOTTOM w0.3: R97.2 18.04,50.56 ; R97.2 18.58,50.01 ; R97.2 18.04,49.45 ; 98.57,66.9 J2.1 ; J2.1 99.73,68.05 ; J2.1 100.88,66.9 ; 76.87,47.11 C79.2 76.32,47.67 ; D11.K3 13.89,54.81 ; D11.K3 13.19,55.61 ; D11.K3 12.49,54.81
  BOTTOM w0.5: 75.83,2.63 J5.1 ; J5.1 76.98,1.48 ; J5.1 76.98,3.79 ; 74.34,5.49 75.69,5.49 ; 75.69,5.49 75.69,6.84 ; 75.69,5.49 75.69,4.13 ; 75.69,5.49 77.04,5.49
  vias: v1(1.05,41.5) v1(1.05,37.56) v1(1.05,34.38) v1(1.17,57.88) v1(1.17,50.64) v1(1.17,45.69) v1(2.95,52.42) v1(3.33,28.92) v1(3.46,37.43) v1(3.46,32.86) v1(3.59,56.48) v1(4.73,52.29) v1(4.73,50.51) v1(6.76,36.54) v1(6.89,52.29) v1(7.27,56.48) v1(8.41,61.18) v1(8.54,28.92) v1(9.43,32.86) v1(9.94,39.85) v1(9.94,36.54) v1(10.32,51.78) v1(10.32,49.5) v1(10.57,56.48) v1(10.95,51.78) v1(10.95,50.26) v1(10.95,49.5) v1(11.97,32.86) v1(12.22,37.56) v1(12.22,35.27) v1(12.86,31.46) v1(13.37,32.86) v1(13.49,56.61) v1(13.75,62.07) v1(14.51,35.53) v1(14.51,32.86) v1(14.51,31.46) v1(14.89,48.1) v1(15.4,48.48) v1(15.52,56.86) v1(16.16,59.02) v1(16.16,57.5) v1(16.29,62.07) v1(16.29,60.8) v1(16.29,41.12) v1(16.92,45.81) v1(17.3,32.86) v1(17.3,31.46) v1(17.56,63.21) v1(17.56,61.69) v1(17.56,59.91) v1(17.56,45.81) v1(18.19,45.94) v1(18.32,32.86) v1(18.45,51.51) v1(18.45,50.51) v1(18.45,49.51) v1(18.7,39.34) v1(18.95,63.59) v1(19.33,32.86) v1(19.33,31.46) v1(19.45,51.51) v1(19.45,49.51) v1(19.97,61.18) v1(19.97,60.04) v1(20.48,55.47) v1(20.45,51.51) v1(20.45,50.51) v1(20.45,49.51) v1(21.37,52.67) v1(21.49,39.34) v1(21.49,35.91) v1(21.49,35.15) v1(21.49,33.11) v1(21.62,63.59) v1(21.75,61.94) v1(21.75,53.18) v1(22.13,52.67) v1(22.76,53.31) v1(22.76,52.67) v1(23.02,59.28) v1(23.14,36.04) v1(23.14,34.26) v1(23.14,32.99) v1(23.4,54.32) v1(23.4,53.31) v1(23.4,46.32) v1(23.4,44.67) v1(23.4,43.53) v1(23.4,41.88) v1(23.4,39.34) v1(23.65,63.47) v1(23.65,61.94) v1(23.91,34.26) v1(23.91,32.99) v1(24.03,47.85) v1(24.03,46.32) v1(24.29,59.28) v1(24.29,57.12) v1(24.29,55.21) v1(24.8,51.78) v1(25.23,51.4) v1(25.81,51.35) v1(26.83,55.97) v1(27.21,36.04) v1(27.21,34.26) v1(27.34,31.59) v1(27.72,48.86) v1(27.84,53.18) v1(28.35,50.89) v1(28.35,49.12) v1(28.35,48.23) v1(28.61,59.28) v1(28.61,57.12) v1(28.61,53.18) v1(28.61,39.34) v1(28.61,29.81) v1(28.73,41.75) v1(29.11,48.74) v1(29.11,47.59) v1(29.37,53.18) v1(31.78,53.18) v1(31.78,48.18) v1(32.8,33.37) v1(32.8,23.59) v1(32.8,20.92) v1(32.92,41.66) v1(32.92,39.21) v1(32.92,27.15) v1(33.05,59.28) v1(33.05,57.12) v1(33.18,63.59) v1(33.18,61.94) v1(35.21,48.23) v1(35.21,41.75) v1(35.21,39.34) v1(35.21,33.37) v1(35.21,27.02) v1(35.21,23.46) v1(35.21,20.92) v1(35.72,58.64) v1(35.72,57.12) v1(35.97,61.94) v1(35.97,51.02) v1(36.86,23.46) v1(36.99,20.92) v1(37.11,48.18) v1(37.5,58.64) v1(37.5,52.8) v1(38.38,64.23) v1(38.89,61.94) v1(39.27,53.05) v1(39.27,51.15) v1(39.27,49.62) v1(39.4,54.32) v1(39.65,46.07) v1(40.16,41.62) v1(40.16,39.34) v1(40.16,33.37) v1(40.16,27.15) v1(40.29,55.09) v1(40.29,53.05) v1(40.29,51.15) v1(40.29,23.84) v1(40.29,20.8) v1(41.56,56.74) v1(42.19,64.23) v1(42.19,61.94) v1(42.32,54.32) v1(42.32,52.93) v1(42.45,49.75) v1(42.45,46.07) v1(42.45,41.62) v1(42.45,39.34) v1(42.58,33.24) v1(42.58,27.02) v1(42.83,23.34) v1(42.83,20.8) v1(43.08,58.13) v1(43.21,61.94) v1(44.61,49.62) v1(44.61,39.34) v1(44.61,33.5) v1(44.73,41.62) v1(44.99,27.02) v1(45.12,23.34) v1(45.12,20.8) v1(47.66,41.62) v1(47.78,39.34) v1(47.78,27.02) v1(47.91,33.24) v1(47.91,23.34) v1(47.91,20.8) v1(48.29,46.07) v1(49.69,72.61) v1(52.99,72.48) v1(56.55,68.67) v1(60.23,70.07) v1(68.23,70.07) v1(72.42,58.64) v1(72.67,70.07) v1(73.44,70.07) v1(73.94,58.64) v1(74.2,70.07) v1(74.33,61.94) v1(74.96,70.07) v1(75.85,70.07) v1(76.1,47.85) v1(76.23,67.66) v1(76.74,70.07) v1(76.99,67.66) v1(78.14,64.36) v1(79.41,67.66) v1(79.79,61.82) v1(80.04,66.13) v1(80.17,60.55) v1(80.29,65.63) v1(80.55,70.07) v1(81.44,63.85) v1(81.82,51.91) v1(81.82,50.89) v1(81.82,50.01) v1(82.07,70.07) v1(82.07,65.58) v1(82.33,62.96) v1(82.33,61.18) v1(82.58,63.98) v1(82.58,50.01) v1(82.96,67.79) v1(83.09,63.47) v1(83.34,52.55) v1(83.34,51.91) v1(83.98,42.77) v1(84.1,52.55) v1(84.87,61.31) v1(85.5,61.18) v1(85.5,42.77) v1(85.88,57.63) v1(86.14,67.79) v1(86.52,66.77) v1(86.52,65.37) v1(86.64,58.64) v1(87.15,65.37) v1(87.15,42.77) v1(87.28,66.77) v1(87.53,57.63) v1(88.04,54.83) v1(88.3,60.93) v1(88.55,58.64) v1(89.06,42.77) v1(89.18,57.5) v1(89.82,65.75) v1(89.95,70.33) v1(90.2,58.51) v1(90.45,66.39) v1(90.58,67.79) v1(90.58,65.12) v1(90.84,54.83) v1(90.96,42.77) v1(91.72,70.33) v1(91.85,58.9) v1(91.85,57.5) v1(92.49,68.15) v1(92.49,67.53) v1(94.26,74.01) v1(94.9,74.01) v1(94.9,64.1) v1(95.53,54.32) v1(95.66,70.45) v1(95.92,59.66) v1(96.17,50.89) v1(96.42,64.1) v1(96.8,49.5) v1(97.06,46.96) v1(97.06,43.27) v1(97.82,59.53) v1(97.82,54.07) v1(97.82,51.78) v1(97.95,64.1) v1(98.2,67.66) v1(98.96,70.58) v1(98.96,57.63) v1(99.85,69.94) v1(99.85,68.42) v1(100.23,57.63) v1(100.49,54.2) v1(100.61,68.42) v1(100.61,51.78) v1(100.61,49.5) v1(100.61,46.96) v1(100.61,43.15) v1(100.87,63.09) v1(100.87,60.55) v1(101.12,73.88) v1(102.14,48.23) v1(102.14,44.93) v1(102.27,55.85) v1(102.27,53.05) v1(102.27,50.51) v1(102.39,72.61)
AFE_RST: length 59
  TOP w0.2: R19.2 v1(74.48,60.27) ; R128.2 v1(18.45,56.99)
  BOTTOM w0.2: v1(18.45,56.99) 22.09,60.64 74.11,60.64 v1(74.48,60.27)
AFEFUSE: length 138.5
  TOP w0.3: R22.1 v1(66.2,60.04)
  TOP w0.5: 83.72,3.89 C73.1 83.17,3.9 ; 79.52,3.79 J5.2 80.67,2.63 ; 84.99,3.89 R44.1 84.44,3.9 ; D33.K 81.95,4.12 ; D33.K 81.95,2.52 ; D33.K 81.09,3.32 ; D33.K 82.8,3.32
  L3 w0.3: J5.2 79.52,4.55 64.67,19.4 64.67,58.51 v1(66.2,60.04)
  BOTTOM w0.2: v1(66.2,60.04) 22.64,60.04 17.75,55.15 D37.K 17.3,53.24 R95.2
  BOTTOM w0.5: R30.2 74.94,9.26 TP51.1 79.52,4.68 J5.2 ; 79.52,1.48 J5.2 ; J5.2 80.67,2.63
BUTTON_DET: length 4.2
  TOP w0.2: U5.16 18.06,52.55 17.3,53.31 TP23.1 17.28,53.41 C20.1 17.28,56.08 R10.2
CD+: length 12.6
  TOP w0.5: D1.A 77.37,45.94 v1(78.01,45.31)
  L3 w0.5: v1(78.26,35.27) 78.01,35.53 v1(78.01,45.31)
  vias: v1(73.44,30.32) v1(73.44,28.92) v1(74.83,30.32) v1(75.98,28.42) v1(76.74,23.72) v1(78.39,32.61) v1(79.15,23.72) v1(79.66,28.29) v1(80.55,35.27) v1(81.82,23.72) v1(82.83,35.27) v1(83.6,32.61) v1(83.6,28.42) v1(84.61,23.72) v1(86.52,32.61) v1(86.52,28.54) v1(86.9,23.72) v1(87.15,35.15) v1(89.69,35.27) v1(89.69,32.48) v1(89.69,23.72) v1(90.07,30.57) v1(90.07,28.67) v1(91.47,30.57) v1(91.47,28.67)
CELL1+: length 105.7
  TOP w0.3: R51.1 93.38,73.12 93.38,73.12 93.38,73.25 v1(93.25,73.37) ; R93.2 69.88,72.61 v1(69.88,72.61)
  L3 w0.3: v1(69.88,72.61) 55.91,72.61 34.19,50.89 v1(34.19,15.72)
  BOTTOM w0.3: v1(69.88,72.61) 70.64,73.37 92.11,73.37 TP24.1 92.87,73.37 v1(93.25,73.37)
  BOTTOM w0.5: FCT8.2 v1(34.19,15.72)
CELL2+: length 50.1
  TOP w0.3: R46.1 v1(95.66,73.12) ; R92.1 v1(78.26,72.61)
  L3 w0.3: v1(78.26,72.61) 76.23,74.64 57.82,74.64 v1(55.28,77.18)
  BOTTOM w0.3: v1(95.66,73.12) 95.15,72.61 TP18.1 v1(78.26,72.61) ; v1(55.28,77.18) FCT7.2
CELL3+: length 104.1
  TOP w0.3: R90.1 v1(74.45,71.47) ; R41.1 v1(98.07,71.47)
  L3 w0.3: v1(41.31,15.84) 41.31,54.83 57.94,71.47 v1(74.45,71.47)
  BOTTOM w0.3: v1(98.07,71.47) TP16.1 v1(74.45,71.47)
  BOTTOM w0.5: 41.31,15.9 v1(41.31,15.84)
CELL4+: length 40.9
  TOP w0.3: R79.2 72.8,65.88 73.86,66.93 R84.2 ; R32.1 v1(97.06,66.77)
  TOP w0.4: R87.1 73.92,68.66 73.86,68.6 R84.2
  TOP w0.5: v1(75.09,68.67) v1(74.45,68.67) 73.94,68.67 R87.1
  BOTTOM w0.2: v1(75.09,68.67) 75.47,69.06 94.77,69.06 TP13.1 v1(97.06,66.77)
  BOTTOM w0.3: FCT5.2 71.22,68.67 v1(74.45,68.67) v1(75.09,68.67)
CELL5+: length 71.3
  TOP w0.2: v1(76.36,55.97) 75.72,55.34 73.52,55.34 R78.1
  TOP w0.3: v1(97.06,57.12) R26.1
  L3 w0.3: v1(68.1,19.4) 69.37,20.67 69.37,23.72 77.12,31.46 77.12,55.21 v1(76.36,55.97)
  BOTTOM w0.3: v1(76.36,55.97) 76.93,56.55 95.6,56.55 TP11.1 97.06,57.12 v1(97.06,57.12)
  BOTTOM w0.5: 68.1,14.37 68.1,14.95 68.1,14.95 v1(68.1,19.4)
CELL6+: length 58.9
  TOP w0.2: R75.1 76.61,53.56 v1(78.14,55.09)
  TOP w0.3: R21.1 98.42,55.85 v1(97.82,55.85)
  BOTTOM w0.3: v1(78.14,55.09) 79.02,55.97 97.69,55.97 v1(97.82,55.85) TP5.1 102.01,57.88 102.01,70.45 95.03,77.44 FCT3.2
CELL7+: length 60.6
  L3 w0.5: v1(68.34,20.67) v1(67.59,20.67) 66.96,21.3 66.96,51.91 v1(68.23,53.18) v1(68.23,53.82)
  BOTTOM w0.3: 89.43,54.32 88.67,53.56 78.23,53.56 TP2.1 68.92,53.47 68.74,53.65
  BOTTOM w0.5: FCT2.2 v1(68.34,20.67) v1(67.59,20.67) ; 68.27,53.18 68.74,53.65 68.39,53.65 v1(68.23,53.82) v1(68.23,53.18) 68.27,53.18
CELL+7_PAD:
  vias: v1(77.12,20.2) v1(77.12,17.8) v1(77.12,15.7) v1(77.12,13.6) v1(79.22,20.2) v1(79.22,11.5) v1(81.32,20.2) v1(81.32,11.5) v1(83.42,20.2) v1(83.42,11.5) v1(85.52,20.2) v1(85.52,11.5) v1(87.62,20.2) v1(87.62,11.5) v1(89.72,11.5)
